# KiCad board Boston-keyboard-V08J.kicad_pcb (continued)
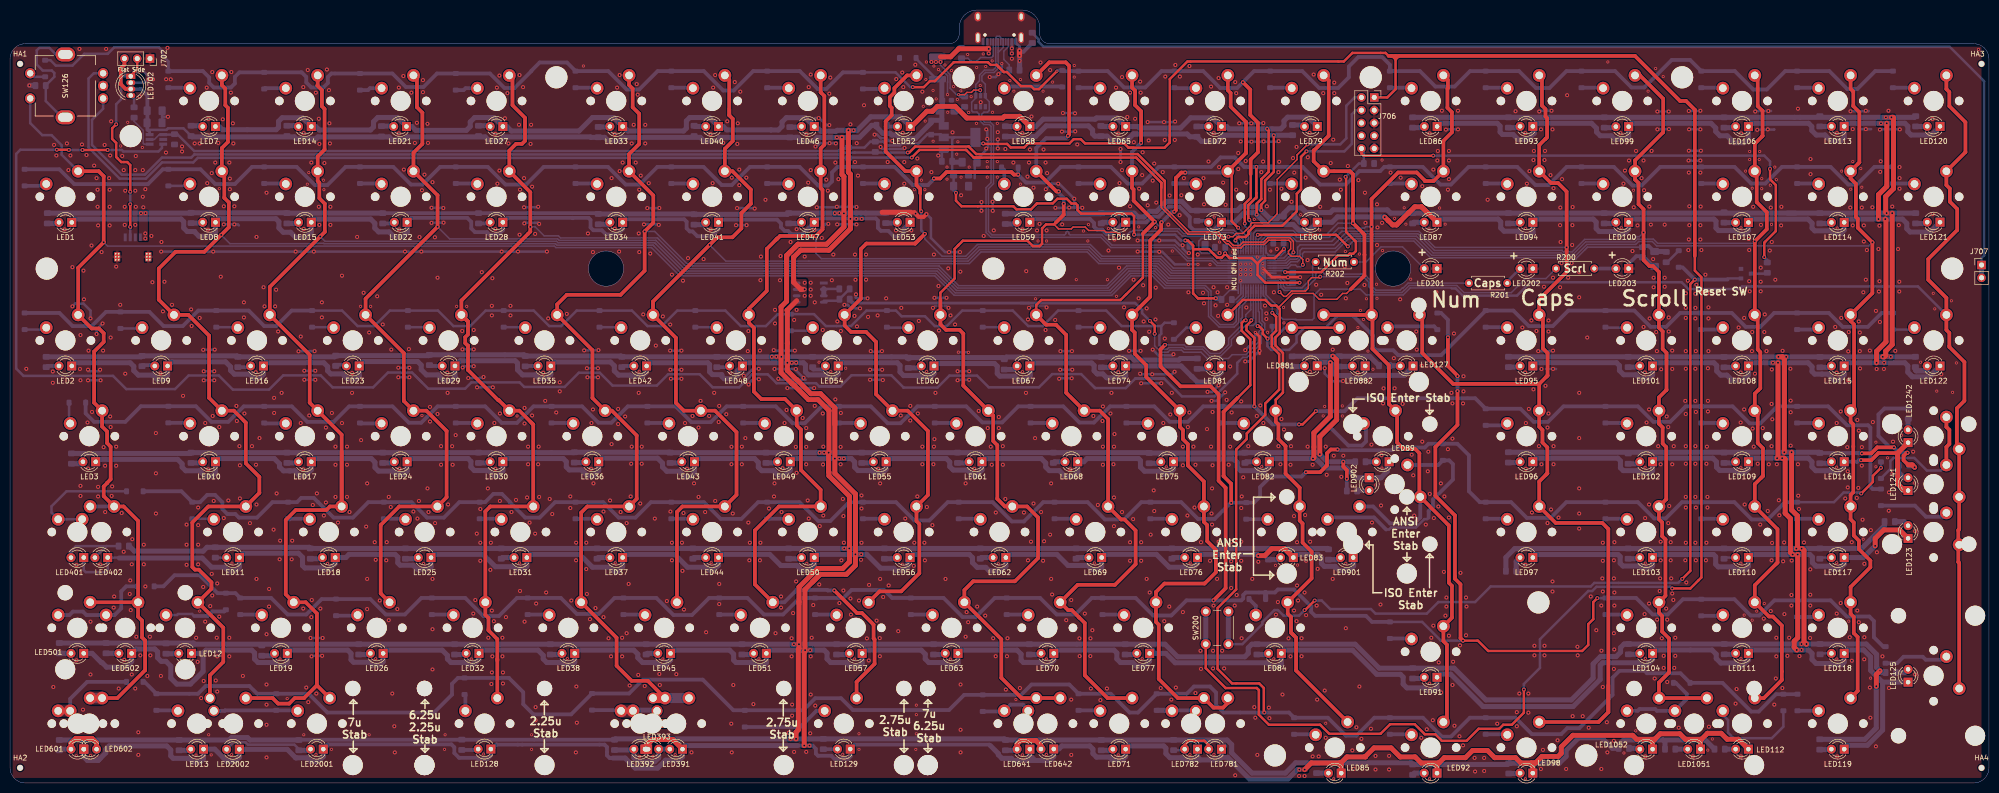
[diagram p0: board, top side]
## Placement (name value [footprint] x y rotation side) (continued)
R50  1K  [R_0805_2012Metric_Pad1.15x1.40mm_HandSolder]  154.83 45.61 270 bottom
R51  1K  [R_0805_2012Metric_Pad1.15x1.40mm_HandSolder]  145.54 26.56 270 bottom
R52  1K  [R_0805_2012Metric_Pad1.15x1.40mm_HandSolder]  173.3 130.78 0 bottom
R53  1K  [R_0805_2012Metric_Pad1.15x1.40mm_HandSolder]  174.12 112.36 270 bottom
R54  1K  [R_0805_2012Metric_Pad1.15x1.40mm_HandSolder]  159.59 83.71 270 bottom
R55  1K  [R_0805_2012Metric_Pad1.15x1.40mm_HandSolder]  169.35 64.66 270 bottom
R56  1K  [R_0805_2012Metric_Pad1.15x1.40mm_HandSolder]  173.88 45.61 270 bottom
R57  1K  [R_0805_2012Metric_Pad1.15x1.40mm_HandSolder]  164.35 26.56 270 bottom
R58  1K  [R_0805_2012Metric_Pad1.15x1.40mm_HandSolder]  197.93 129.57 90 bottom
R59  1K  [R_0805_2012Metric_Pad1.15x1.40mm_HandSolder]  197.9 112.18 270 bottom
R60  1K  [R_0805_2012Metric_Pad1.15x1.40mm_HandSolder]  178.61 83.56 270 bottom
R61  1K  [R_0805_2012Metric_Pad1.15x1.40mm_HandSolder]  188.4 64.66 270 bottom
R62  1K  [R_0805_2012Metric_Pad1.15x1.40mm_HandSolder]  192.93 45.61 270 bottom
R63  1K  [R_0805_2012Metric_Pad1.15x1.40mm_HandSolder]  183.64 26.56 270 bottom
R64  1K  [R_0805_2012Metric_Pad1.15x1.40mm_HandSolder]  197.93 7.51 270 bottom
R65  1K  [R_0805_2012Metric_Pad1.15x1.40mm_HandSolder]  216.9 129.65 90 bottom
R66  1K  [R_0805_2012Metric_Pad1.15x1.40mm_HandSolder]  216.98 112.29 270 bottom
R67  1K  [R_0805_2012Metric_Pad1.15x1.40mm_HandSolder]  197.69 83.24 270 bottom
R68  1K  [R_0805_2012Metric_Pad1.15x1.40mm_HandSolder]  207.45 64.66 270 bottom
R69  1K  [R_0805_2012Metric_Pad1.15x1.40mm_HandSolder]  211.98 45.61 270 bottom
R70  1K  [R_0805_2012Metric_Pad1.15x1.40mm_HandSolder]  202.69 26.56 270 bottom
R71  1K  [R_0805_2012Metric_Pad1.15x1.40mm_HandSolder]  216.98 7.51 270 bottom
R72  1K  [R_0805_2012Metric_Pad1.15x1.40mm_HandSolder]  235.98 129.53 90 bottom
R73  1K  [R_0805_2012Metric_Pad1.15x1.40mm_HandSolder]  236 112.8 270 bottom
R74  1K  [R_0805_2012Metric_Pad1.15x1.40mm_HandSolder]  217.01 83.67 270 bottom
R75  1K  [R_0805_2012Metric_Pad1.15x1.40mm_HandSolder]  226.5 64.59 270 bottom
R76  1K  [R_0805_2012Metric_Pad1.15x1.40mm_HandSolder]  231.03 45.61 270 bottom
R77  1K  [R_0805_2012Metric_Pad1.15x1.40mm_HandSolder]  221.74 26.56 270 bottom
R78  1K  [R_0805_2012Metric_Pad1.15x1.40mm_HandSolder]  231.37 7.54 270 bottom
R79  1K  [R_0805_2012Metric_Pad1.15x1.40mm_HandSolder]  255 129.82 90 bottom
R80  1K  [R_0805_2012Metric_Pad1.15x1.40mm_HandSolder]  254.3 112.72 0 bottom
R81  1K  [R_0805_2012Metric_Pad1.15x1.40mm_HandSolder]  236.05 83.38 270 bottom
R82  1K  [R_0805_2012Metric_Pad1.15x1.40mm_HandSolder]  245.55 64.66 270 bottom
R83  1K  [R_0805_2012Metric_Pad1.15x1.40mm_HandSolder]  250.24 45.45 270 bottom
R84  1K  [R_0805_2012Metric_Pad1.15x1.40mm_HandSolder]  247.93 26.56 270 bottom
R85  1K  [R_0805_2012Metric_Pad1.15x1.40mm_HandSolder]  259.79 2.99 270 bottom
R86  1K  [R_0805_2012Metric_Pad1.15x1.40mm_HandSolder]  278.89 131.34 270 bottom
R87  1K  [R_0805_2012Metric_Pad1.15x1.40mm_HandSolder]  278.89 112.29 270 bottom
R89  1K  [R_0805_2012Metric_Pad1.15x1.40mm_HandSolder]  268.49 63.87 0 bottom
R91  1K  [R_0805_2012Metric_Pad1.15x1.40mm_HandSolder]  278.9 21.8 270 bottom
R92  1K  [R_0805_2012Metric_Pad1.15x1.40mm_HandSolder]  278.9 2.65 270 bottom
R93  1K  [R_0805_2012Metric_Pad1.15x1.40mm_HandSolder]  297.94 131.34 270 bottom
R94  1K  [R_0805_2012Metric_Pad1.15x1.40mm_HandSolder]  297.94 112.29 270 bottom
R95  1K  [R_0805_2012Metric_Pad1.15x1.40mm_HandSolder]  297.95 83.72 270 bottom
R96  1K  [R_0805_2012Metric_Pad1.15x1.40mm_HandSolder]  297.94 64.74 270 bottom
R97  1K  [R_0805_2012Metric_Pad1.15x1.40mm_HandSolder]  298.45 42.12 0 bottom
R98  1K  [R_0805_2012Metric_Pad1.15x1.40mm_HandSolder]  298.02 2.9 270 bottom
R99  1K  [R_0805_2012Metric_Pad1.15x1.40mm_HandSolder]  316.99 131.34 270 bottom
R100  1K  [R_0805_2012Metric_Pad1.15x1.40mm_HandSolder]  316.99 112.29 270 bottom
R101  1K  [R_0805_2012Metric_Pad1.15x1.40mm_HandSolder]  321.75 83.71 270 bottom
R102  1K  [R_0805_2012Metric_Pad1.15x1.40mm_HandSolder]  321.75 64.5 270 bottom
R103  1K  [R_0805_2012Metric_Pad1.15x1.40mm_HandSolder]  321.75 45.61 270 bottom
R104  1K  [R_0805_2012Metric_Pad1.15x1.40mm_HandSolder]  321.8 26.6 270 bottom
R106  1K  [R_0805_2012Metric_Pad1.15x1.40mm_HandSolder]  340.8 131.34 270 bottom
R107  1K  [R_0805_2012Metric_Pad1.15x1.40mm_HandSolder]  340.8 112.45 270 bottom
R108  1K  [R_0805_2012Metric_Pad1.15x1.40mm_HandSolder]  340.8 83.67 270 bottom
R109  1K  [R_0805_2012Metric_Pad1.15x1.40mm_HandSolder]  340.8 64.66 270 bottom
R110  1K  [R_0805_2012Metric_Pad1.15x1.40mm_HandSolder]  340.8 45.61 270 bottom
R111  1K  [R_0805_2012Metric_Pad1.15x1.40mm_HandSolder]  340.85 26.6 270 bottom
R112  1K  [R_0805_2012Metric_Pad1.15x1.40mm_HandSolder]  339.93 6.72 0 bottom
R113  1K  [R_0805_2012Metric_Pad1.15x1.40mm_HandSolder]  359.85 131.58 270 bottom
R114  1K  [R_0805_2012Metric_Pad1.15x1.40mm_HandSolder]  359.85 112.29 270 bottom
R115  1K  [R_0805_2012Metric_Pad1.15x1.40mm_HandSolder]  359.88 83.67 270 bottom
R116  1K  [R_0805_2012Metric_Pad1.15x1.40mm_HandSolder]  359.85 64.59 270 bottom
R117  1K  [R_0805_2012Metric_Pad1.15x1.40mm_HandSolder]  359.85 45.61 270 bottom
R118  1K  [R_0805_2012Metric_Pad1.15x1.40mm_HandSolder]  359.9 26.6 270 bottom
R119  1K  [R_0805_2012Metric_Pad1.15x1.40mm_HandSolder]  359.85 7.65 270 bottom
R120  1K  [R_0805_2012Metric_Pad1.15x1.40mm_HandSolder]  378.9 131.58 270 bottom
R121  1K  [R_0805_2012Metric_Pad1.15x1.40mm_HandSolder]  378.9 112.29 270 bottom
R122  1K  [R_0805_2012Metric_Pad1.15x1.40mm_HandSolder]  378.85 83.72 270 bottom
R123  1K  [R_0805_2012Metric_Pad1.15x1.40mm_HandSolder]  373.74 51.96 0 bottom
R125  1K  [R_0805_2012Metric_Pad1.15x1.40mm_HandSolder]  373.95 21.95 0 bottom
R127  1K  [R_0805_2012Metric_Pad1.15x1.40mm_HandSolder]  273.23 82.97 0 bottom
R128  1K  [R_0805_2012Metric_Pad1.15x1.40mm_HandSolder]  89.82 7.59 270 bottom
R129  1K  [R_0805_2012Metric_Pad1.15x1.40mm_HandSolder]  161.71 7.74 270 bottom
R200  330  [R_Axial_DIN0207_L6.3mm_D2.5mm_P7.62mm_Horizontal]  315 102.3 180 top
R201  330  [R_Axial_DIN0207_L6.3mm_D2.5mm_P7.62mm_Horizontal]  297.7 99.4 180 top
R202  330  [R_Axial_DIN0207_L6.3mm_D2.5mm_P7.62mm_Horizontal]  267.22 103.6 180 top
R501  1K  [R_0805_2012Metric_Pad1.15x1.40mm_HandSolder]  9.81 26.8 270 bottom
R502  1K  [R_0805_2012Metric_Pad1.15x1.40mm_HandSolder]  19.1 26.8 270 bottom
R701  100k  [R_0603_1608Metric_Pad1.05x0.95mm_HandSolder]  186.3 135.78 180 bottom
R702  1M  [R_0805_2012Metric_Pad1.15x1.40mm_HandSolder]  324.59 105.52 90 bottom
R703  100  [R_0805_2012Metric_Pad1.15x1.40mm_HandSolder]  349.4 102.47 270 bottom
R704  5.1k  [R_0805_2012Metric_Pad1.15x1.40mm_HandSolder]  189.2 145.15 270 bottom
R705  5.1k  [R_0805_2012Metric_Pad1.15x1.40mm_HandSolder]  199.7 141.75 180 bottom
R706  1K  [R_0805_2012Metric_Pad1.15x1.40mm_HandSolder]  165.93 96.2 180 bottom
R707  10k  [R_0805_2012Metric_Pad1.15x1.40mm_HandSolder]  165.91 98.24 0 bottom
R708  10k  [R_0805_2012Metric_Pad1.15x1.40mm_HandSolder]  166.72 125.33 90 bottom
R709  10k  [R_0805_2012Metric_Pad1.15x1.40mm_HandSolder]  172.04 126.51 90 bottom
R710  100  [R_0805_2012Metric_Pad1.15x1.40mm_HandSolder]  24.66 133.34 270 bottom
R711  330k  [R_0805_2012Metric_Pad1.15x1.40mm_HandSolder]  329.3 104.58 270 bottom
R881  1K  [R_0805_2012Metric_Pad1.15x1.40mm_HandSolder]  254.95 83.81 270 bottom
R882  1K  [R_0805_2012Metric_Pad1.15x1.40mm_HandSolder]  264.32 83.83 270 bottom
R901  1K  [R_0805_2012Metric_Pad1.15x1.40mm_HandSolder]  262.14 45.43 270 bottom
R902  1K  [R_0805_2012Metric_Pad1.15x1.40mm_HandSolder]  266.83 58.08 0 bottom
R1051  1K  [R_0805_2012Metric_Pad1.15x1.40mm_HandSolder]  330.09 6.72 0 bottom
R1052  1K  [R_0805_2012Metric_Pad1.15x1.40mm_HandSolder]  320.88 6.88 0 bottom
R1241  1K  [R_0805_2012Metric_Pad1.15x1.40mm_HandSolder]  376.57 63.18 180 bottom
R1242  1K  [R_0805_2012Metric_Pad1.15x1.40mm_HandSolder]  377.45 73.44 270 bottom
SW1  MXSwitch  [MX100]  11 116.58 180 bottom
SW2  MXSwitch  [MX100]  11 88 180 bottom
SW3  MXSwitch  [MX150]  15.76 68.95 180 bottom
SW4-1  MXSwitch  [MX125#2]  13.38 49.9 180 bottom
SW4-2  MXSwitch  [MX175]  18.14 49.9 180 bottom
SW5-1  MXSwitch  [MX125#2]  13.38 30.85 180 bottom
SW5-2  MXSwitch  [MX225]  22.91 30.85 180 bottom
SW6-1  MXSwitch  [MX125#2]  13.38 11.8 180 bottom
SW6-2  MXSwitch  [MX150]  15.76 11.8 180 bottom
SW7  MXSwitch  [MX100]  39.58 135.62 180 bottom
SW8  MXSwitch  [MX100]  39.58 116.58 180 bottom
SW9  MXSwitch  [MX100]  30.05 88 180 bottom
SW10  MXSwitch  [MX100]  39.58 68.95 180 bottom
SW11  MXSwitch  [MX100]  44.34 49.9 180 bottom
SW12  MXSwitch  [MX100]  34.81 30.85 180 bottom
SW13  MXSwitch  [MX125]  37.19 11.8 180 bottom
SW14  MXSwitch  [MX100]  58.62 135.62 180 bottom
SW15  MXSwitch  [MX100]  58.62 116.58 180 bottom
SW16  MXSwitch  [MX100]  49.1 88 180 bottom
SW17  MXSwitch  [MX100]  58.62 68.95 180 bottom
SW18  MXSwitch  [MX100]  63.39 49.9 180 bottom
SW19  MXSwitch  [MX100]  53.86 30.85 180 bottom
SW20-1  MXSwitch  [MX125#2]  61.01 11.8 180 bottom
SW20-2  MXSwitch  [MX150#2]  44.34 11.8 180 bottom
SW21  MXSwitch  [MX100]  77.68 135.62 180 bottom
SW22  MXSwitch  [MX100]  77.68 116.58 180 bottom
SW23  MXSwitch  [MX100]  68.15 88 180 bottom
SW24  MXSwitch  [MX100]  77.68 68.95 180 bottom
SW25  MXSwitch  [MX100]  82.44 49.9 180 bottom
SW26  MXSwitch  [MX100]  72.91 30.85 180 bottom
SW27  MXSwitch  [MX100]  96.72 135.62 180 bottom
SW28  MXSwitch  [MX100]  96.72 116.58 180 bottom
SW29  MXSwitch  [MX100]  87.2 88 180 bottom
SW30  MXSwitch  [MX100]  96.72 68.95 180 bottom
SW31  MXSwitch  [MX100]  101.49 49.9 180 bottom
SW32  MXSwitch  [MX100]  91.96 30.85 180 bottom
SW33  MXSwitch  [MX100]  120.54 135.62 180 bottom
SW34  MXSwitch  [MX100]  120.54 116.58 180 bottom
SW35  MXSwitch  [MX100]  106.25 88 180 bottom
SW36  MXSwitch  [MX100]  115.78 68.95 180 bottom
SW37  MXSwitch  [MX100]  120.54 49.9 180 bottom
SW38  MXSwitch  [MX100]  111.01 30.85 180 bottom
SW39-1  MXSwitch  [MX625]  132.44 11.8 180 bottom
SW39-2  MXSwitch  [MX700]  125.3 11.8 180 bottom
SW39-3  MXSwitch  [MX125#2]  127.68 11.8 180 bottom
SW40  MXSwitch  [MX100]  139.59 135.62 180 bottom
SW41  MXSwitch  [MX100]  139.59 116.58 180 bottom
SW42  MXSwitch  [MX100]  125.3 88 180 bottom
SW43  MXSwitch  [MX100]  134.82 68.95 180 bottom
SW44  MXSwitch  [MX100]  139.59 49.9 180 bottom
SW45  MXSwitch  [MX100]  130.06 30.85 180 bottom
SW46  MXSwitch  [MX100]  158.64 135.62 180 bottom
SW47  MXSwitch  [MX100]  158.64 116.58 180 bottom
SW48  MXSwitch  [MX100]  144.35 88 180 bottom
SW49  MXSwitch  [MX100]  153.88 68.95 180 bottom
SW50  MXSwitch  [MX100]  158.64 49.9 180 bottom
SW51  MXSwitch  [MX100]  149.11 30.85 180 bottom
SW52  MXSwitch  [MX100]  177.69 135.62 180 bottom
SW53  MXSwitch  [MX100]  177.69 116.58 180 bottom
SW54  MXSwitch  [MX100]  163.4 88 180 bottom
SW55  MXSwitch  [MX100]  172.93 68.95 180 bottom
SW56  MXSwitch  [MX100]  177.69 49.9 180 bottom
SW57  MXSwitch  [MX100]  168.16 30.85 180 bottom
SW58  MXSwitch  [MX100]  201.5 135.62 180 bottom
SW59  MXSwitch  [MX100]  201.5 116.58 180 bottom
SW60  MXSwitch  [MX100]  182.45 88 180 bottom
SW61  MXSwitch  [MX100]  191.97 68.95 180 bottom
SW62  MXSwitch  [MX100]  196.74 49.9 180 bottom
SW63  MXSwitch  [MX100]  187.21 30.85 180 bottom
SW64-1  MXSwitch  [MX100#2]  201.5 11.8 180 bottom
SW64-2  MXSwitch  [MX150#3]  206.26 11.8 180 bottom
SW65  MXSwitch  [MX100]  220.55 135.62 180 bottom
SW66  MXSwitch  [MX100]  220.55 116.58 180 bottom
SW67  MXSwitch  [MX100]  201.5 88 180 bottom
SW68  MXSwitch  [MX100]  211.02 68.95 180 bottom
SW69  MXSwitch  [MX100]  215.79 49.9 180 bottom
SW70  MXSwitch  [MX100]  206.26 30.85 180 bottom
SW71  MXSwitch  [MX100]  220.55 11.8 180 bottom
SW72  MXSwitch  [MX100]  239.6 135.62 180 bottom
SW73  MXSwitch  [MX100]  239.6 116.58 180 bottom
SW74  MXSwitch  [MX100]  220.55 88 180 bottom
SW75  MXSwitch  [MX100]  230.07 68.95 180 bottom
SW76  MXSwitch  [MX100]  234.84 49.9 180 bottom
SW77  MXSwitch  [MX100]  225.31 30.85 180 bottom
SW78-1  MXSwitch  [MX100#3]  239.6 11.8 180 bottom
SW78-2  MXSwitch  [MX150#4]  234.84 11.8 180 bottom
SW79  MXSwitch  [MX100]  258.65 135.62 180 bottom
SW80  MXSwitch  [MX100]  258.65 116.58 180 bottom
SW81  MXSwitch  [MX100]  239.6 88 180 bottom
SW82  MXSwitch  [MX100]  249.12 68.95 180 bottom
SW83  MXSwitch  [MX100]  253.89 49.9 180 bottom
SW84  MXSwitch  [MX175]  251.51 30.85 180 bottom
SW85  MXSwitch  [MX100]  263.41 7.04 180 bottom
SW86  MXSwitch  [MX100]  282.46 135.62 180 bottom
SW87  MXSwitch  [MX100]  282.46 116.58 180 bottom
SW88-1  MXSwitch  [MX100]  258.65 88 180 bottom
SW88-2  MXSwitch  [MX200]  268.18 88 180 bottom
SW89  MXSwitch  [MX150]  272.94 68.95 180 bottom
SW90-1  MXSwitch  [MX225]  265.79 49.9 180 bottom
SW90-2  MXSwitch  [MX_ISOEnter]  275.32 59.42 180 bottom
SW91  MXSwitch  [MX100]  282.46 26.09 180 bottom
SW92  MXSwitch  [MX100]  282.46 7.04 180 bottom
SW93  MXSwitch  [MX100]  301.51 135.62 180 bottom
SW94  MXSwitch  [MX100]  301.51 116.58 180 bottom
SW95  MXSwitch  [MX100]  301.51 88 180 bottom
SW96  MXSwitch  [MX100]  301.51 68.95 180 bottom
SW97  MXSwitch  [MX100]  301.51 49.9 180 bottom
SW98  MXSwitch  [MX100]  301.51 7.04 180 bottom
SW99  MXSwitch  [MX100]  320.56 135.62 180 bottom
SW100  MXSwitch  [MX100]  320.56 116.58 180 bottom
SW101  MXSwitch  [MX100]  325.32 88 180 bottom
SW102  MXSwitch  [MX100]  325.32 68.95 180 bottom
SW103  MXSwitch  [MX100]  325.32 49.9 180 bottom
SW104  MXSwitch  [MX100]  325.32 30.85 180 bottom
SW105-1  MXSwitch  [MX200]  334.85 11.8 180 bottom
SW105-2  MXSwitch  [MX100]  325.32 11.8 180 bottom
SW106  MXSwitch  [MX100]  344.38 135.62 180 bottom
SW107  MXSwitch  [MX100]  344.38 116.58 180 bottom
SW108  MXSwitch  [MX100]  344.38 88 180 bottom
SW109  MXSwitch  [MX100]  344.38 68.95 180 bottom
SW110  MXSwitch  [MX100]  344.38 49.9 180 bottom
SW111  MXSwitch  [MX100]  344.38 30.85 180 bottom
SW112  MXSwitch  [MX100]  344.38 11.8 180 bottom
SW113  MXSwitch  [MX100]  363.43 135.62 180 bottom
SW114  MXSwitch  [MX100]  363.43 116.58 180 bottom
SW115  MXSwitch  [MX100]  363.43 88 180 bottom
SW116  MXSwitch  [MX100]  363.43 68.95 180 bottom
SW117  MXSwitch  [MX100]  363.43 49.9 180 bottom
SW118  MXSwitch  [MX100]  363.43 30.85 180 bottom
SW119  MXSwitch  [MX100]  363.43 11.8 180 bottom
SW120  MXSwitch  [MX100]  382.48 135.62 180 bottom
SW121  MXSwitch  [MX100]  382.48 116.58 180 bottom
SW122  MXSwitch  [MX100]  382.48 88 180 bottom
SW123  MXSwitch  [MX100]  382.48 49.9 90 bottom
SW124-1  MXSwitch  [MX200]  382.48 59.42 90 bottom
SW124-2  MXSwitch  [MX100]  382.48 68.95 90 bottom
SW125  MXSwitch  [MX200R]  382.48 21.32 90 bottom
SW126  Rotary_Encoder_Switch_Chassis  [ALPS_EC11E]  11 138.62 90 top
SW127  MXSwitch  [MX100]  277.7 88 180 bottom
SW128  MXSwitch  [MX225]  94.34 11.8 180 bottom
SW129  MXSwitch  [MX275]  165.78 11.8 180 bottom
SW200  SW_Push  [SW_PUSH_6mm_H5mm]  237.75 27.6 90 top
U701  STM32F072CBTx  [LQFP-48_7x7mm_P0.5mm]  246.96 102.13 180 bottom
U702  TLV1117-33  [SOT-223-3_TabPin2]  188.8 128.38 0 bottom
U703  SRV05-4  [SOT-23-6]  192.97 135.57 90 bottom
U705  SN74LVC1T45DCK  [SOT-23-6_Handsoldering]  29.1 127.97 180 bottom
UA701  STM32F072CBUx  [QFN-48-1EP_7x7mm_P0.5mm_EP5.6x5.6mm]  246.96 102.13 180 bottom

## Footprints (pads in the part's own frame, mm; a bottom-side part is the same pattern mirrored in y, then rotated)
Access-hole-4.4mm
  round 4.4 hole 4.4 unplated: (0,0)
ALPS_EC11E
  oval 1.651x2.769 smd: (-6.25,0) (6.25,0)
  round 1.016 smd: (-2.5,7) (-2.5,-7.5) (0,-7.5) (2.5,7) (2.5,-7.5)
  round 2.032 hole 1.27: A(-2.5,-7.5) B(2.5,-7.5) C(0,-7.5) S1(-2.5,7) S2(2.5,7)
  oval 2.8x3.9 hole 1.8x2.9: S(-6.25,0) S(6.25,0)
C_0805_2012Metric_Pad1.15x1.40mm_HandSolder
  rrect 1.15x1.4 smd: 1(-1.025,0) 2(1.025,0)
C_1206_3216Metric_Pad1.42x1.75mm_HandSolder
  rrect 1.425x1.75 smd: 1(-1.488,0) 2(1.488,0)
D_SOD-123
  rrect 1x1.2 smd: 1(-1.65,0) 2(1.65,0)
D_SOD-123F
  rect 1.1x1.1 smd: 1(-1.4,0) 2(1.4,0)
Fuse_1812_4532Metric_Pad1.30x3.40mm_HandSolder
  rrect 1.3x3.4 smd: 1(-2.225,0) 2(2.225,0)
L_0805_2012Metric_Pad1.15x1.40mm_HandSolder
  rrect 1.15x1.4 smd: 1(-1.025,0) 2(1.025,0)
LED_D3.0mm_Clear
  rect 1.8x1.8 hole 0.9: 1(0,0)
  round 1.8 hole 0.9: 2(2.54,0)
LED_D3.0mm_Clear#2
  rect 2.2x1.8 hole 1.5x0.9: 1(0,0)
  round 1.8 hole 0.9: 2(2.54,0)
LED_D3.0mm_Clear#3
  rect 2.2x1.8 hole 1.2x0.9: 1(0,0)
  round 1.8 hole 0.9: 2(2.54,0)
LED_D5.0mm-4_RGB
  rect 1.07x1.8 hole 0.9: 1(0,0)
  oval 1.07x1.8 hole 0.9: 2(1.27,0) 3(2.54,0) 4(3.81,0)
LQFP-48_7x7mm_P0.5mm
  rrect 1.475x0.3 smd: 1(-4.162,2.75) 2(-4.162,2.25) 3(-4.162,1.75) 4(-4.162,1.25) 5(-4.162,0.75) 6(-4.162,0.25) 7(-4.162,-0.25) 8(-4.162,-0.75) 9(-4.162,-1.25) 10(-4.162,-1.75) 11(-4.162,-2.25) 12(-4.162,-2.75) 25(4.162,-2.75) 26(4.162,-2.25) 27(4.162,-1.75) 28(4.162,-1.25) 29(4.162,-0.75) 30(4.162,-0.25) 31(4.162,0.25) 32(4.162,0.75) 33(4.162,1.25) 34(4.162,1.75) 35(4.162,2.25) 36(4.162,2.75)
  rrect 0.3x1.475 smd: 13(-2.75,-4.162) 14(-2.25,-4.162) 15(-1.75,-4.162) 16(-1.25,-4.162) 17(-0.75,-4.162) 18(-0.25,-4.162) 19(0.25,-4.162) 20(0.75,-4.162) 21(1.25,-4.162) 22(1.75,-4.162) 23(2.25,-4.162) 24(2.75,-4.162) 37(2.75,4.162) 38(2.25,4.162) 39(1.75,4.162) 40(1.25,4.162) 41(0.75,4.162) 42(0.25,4.162) 43(-0.25,4.162) 44(-0.75,4.162) 45(-1.25,4.162) 46(-1.75,4.162) 47(-2.25,4.162) 48(-2.75,4.162)
MX100
  round 1.702 hole 1.702 unplated: (-5.08,0) (5.08,0)
  round 3.988 hole 3.988 unplated: (0,0)
  round 2.54 hole 1.525: 1(-2.54,5.08) 2(3.81,2.54)
MX100#2
  round 1.702 hole 1.702 unplated: (-5.08,0) (5.08,0)
  round 3.988 hole 3.988 unplated: (0,0)
  round 2.4 hole 1.525: 1(-2.54,5.08)
  round 2.54 hole 1.525: 2(3.81,2.54)
MX100#3
  round 1.702 hole 1.702 unplated: (-5.08,0) (5.08,0)
  round 3.988 hole 3.988 unplated: (0,0)
  round 2.54 hole 1.525: 1(-2.54,5.08)
  round 2.4 hole 1.525: 2(3.81,2.54)
MX125
  round 1.702 hole 1.702 unplated: (-5.08,0) (5.08,0)
  round 3.988 hole 3.988 unplated: (0,0)
  round 2.2 hole 1.524: 1(-2.54,5.08)
  round 2.54 hole 1.524: 2(3.81,2.54)
MX125#2
  round 1.702 hole 1.702 unplated: (-5.08,0) (5.08,0)
  round 3.988 hole 3.988 unplated: (0,0)
  round 2.54 hole 1.524: 1(-2.54,5.08) 2(3.81,2.54)
MX150
  round 1.702 hole 1.702 unplated: (-5.08,0) (5.08,0)
  round 3.988 hole 3.988 unplated: (0,0)
  round 2.54 hole 1.524: 1(-2.54,5.08) 2(3.81,2.54)
MX150#2
  round 1.702 hole 1.702 unplated: (-5.08,0) (5.08,0)
  round 3.988 hole 3.988 unplated: (0,0)
  round 2.54 hole 1.524: 1(-2.54,5.08)
  round 2.2 hole 1.524: 2(3.81,2.54)
MX150#3
  round 1.702 hole 1.702 unplated: (-5.08,0) (5.08,0)
  round 3.988 hole 3.988 unplated: (0,0)
  round 2.54 hole 1.524: 1(-2.54,5.08)
  round 2.4 hole 1.524: 2(3.81,2.54)
MX150#4
  round 1.702 hole 1.702 unplated: (-5.08,0) (5.08,0)
  round 3.988 hole 3.988 unplated: (0,0)
  round 2.4 hole 1.524: 1(-2.54,5.08)
  round 2.54 hole 1.524: 2(3.81,2.54)
MX175
  round 1.702 hole 1.702 unplated: (-5.08,0) (5.08,0)
  round 3.988 hole 3.988 unplated: (0,0)
  round 2.54 hole 1.524: 1(-2.54,5.08) 2(3.81,2.54)
MX200
  round 3.988 hole 3.988 unplated: (-11.938,-8.255) (0,0) (11.938,-8.255)
  round 3.048 hole 3.048 unplated: (-11.938,6.985) (11.938,6.985)
  round 1.702 hole 1.702 unplated: (-5.08,0) (5.08,0)
  round 2.54 hole 1.524: 1(-2.54,5.08) 2(3.81,2.54)
MX200R
  round 3.048 hole 3.048 unplated: (-11.938,-6.985) (11.938,-6.985)
  round 3.988 hole 3.988 unplated: (-11.938,8.255) (0,0) (11.938,8.255)
  round 1.702 hole 1.702 unplated: (-5.08,0) (5.08,0)
  round 2.54 hole 1.524: 1(-2.54,5.08) 2(3.81,2.54)
MX225
  round 3.988 hole 3.988 unplated: (-11.938,-8.255) (0,0) (11.938,-8.255)
  round 3.048 hole 3.048 unplated: (-11.938,6.985) (11.938,6.985)
  round 1.702 hole 1.702 unplated: (-5.08,0) (5.08,0)
  round 2.54 hole 1.524: 1(-2.54,5.08) 2(3.81,2.54)
MX275
  round 3.988 hole 3.988 unplated: (-11.938,-8.255) (0,0) (11.938,-8.255)
  round 3.048 hole 3.048 unplated: (-11.938,6.985) (11.938,6.985)
  round 1.702 hole 1.702 unplated: (-5.08,0) (5.08,0)
  round 2.54 hole 1.524: 1(-2.54,5.08) 2(3.81,2.54)
MX625
  round 3.988 hole 3.988 unplated: (-50.038,-8.255) (0,0) (50.038,-8.255)
  round 3.048 hole 3.048 unplated: (-50.038,6.985) (50.038,6.985)
  round 1.702 hole 1.702 unplated: (-5.08,0) (5.08,0)
  round 2.54 hole 1.524: 1(-2.54,5.08)
  round 2.2 hole 1.524: 2(3.81,2.54)
MX700
  round 3.988 hole 3.988 unplated: (-57.15,-8.255) (0,0) (57.15,-8.255)
  round 3.048 hole 3.048 unplated: (-57.15,6.985) (57.15,6.985)
  oval 5x1.702 hole 1.702 unplated: (-5.08,0)
  round 1.702 hole 1.702 unplated: (5.08,0)
  round 2.2 hole 1.524: 1(-2.54,5.08)
  round 2.54 hole 1.524: 2(3.81,2.54)
MX_ISOEnter
  round 3.048 hole 3.048 unplated: (-6.985,-11.938) (-6.985,11.938)
  round 1.702 hole 1.702 unplated: (0,-5.08) (0,5.08)
  round 3.988 hole 3.988 unplated: (0,0) (8.255,-11.938) (8.255,11.938)
  round 2.54 hole 1.524: 1(-5.08,-2.54) 2(-2.54,3.81)
PinHeader_1x02_P2.54mm_Vertical
  rect 1.7x1.7 hole 1: 1(0,0)
  oval 1.7x1.7 hole 1: 2(0,-2.54)
PinSocket_1x03_P2.54mm_Vertical
  rect 1.7x1.7 hole 1: 1(0,0)
  oval 1.7x1.7 hole 1: 2(0,-2.54) 3(0,-5.08)
PinSocket_2x05_P2.54mm_Vertical
  rect 1.7x1.7 hole 1: 1(0,0)
  oval 1.7x1.7 hole 1: 2(-2.54,0) 3(0,-2.54) 4(-2.54,-2.54) 5(0,-5.08) 6(-2.54,-5.08) 7(0,-7.62) 8(-2.54,-7.62) 9(0,-10.16) 10(-2.54,-10.16)
QFN-48-1EP_7x7mm_P0.5mm_EP5.6x5.6mm
  rrect 1.13x1.13 smd: (-2.1,-2.1) (-2.1,-0.7) (-2.1,0.7) (-2.1,2.1) (-0.7,-2.1) (-0.7,-0.7) (-0.7,0.7) (-0.7,2.1) (0.7,-2.1) (0.7,-0.7) (0.7,0.7) (0.7,2.1) (2.1,-2.1) (2.1,-0.7) (2.1,0.7) (2.1,2.1)
  rrect 0.875x0.25 smd: 1(-3.438,2.75) 2(-3.438,2.25) 3(-3.438,1.75) 4(-3.438,1.25) 5(-3.438,0.75) 6(-3.438,0.25) 7(-3.438,-0.25) 8(-3.438,-0.75) 9(-3.438,-1.25) 10(-3.438,-1.75) 11(-3.438,-2.25) 12(-3.438,-2.75) 25(3.438,-2.75) 26(3.438,-2.25) 27(3.438,-1.75) 28(3.438,-1.25) 29(3.438,-0.75) 30(3.438,-0.25) 31(3.438,0.25) 32(3.438,0.75) 33(3.438,1.25) 34(3.438,1.75) 35(3.438,2.25) 36(3.438,2.75)
  rrect 0.25x0.875 smd: 13(-2.75,-3.438) 14(-2.25,-3.438) 15(-1.75,-3.438) 16(-1.25,-3.438) 17(-0.75,-3.438) 18(-0.25,-3.438) 19(0.25,-3.438) 20(0.75,-3.438) 21(1.25,-3.438) 22(1.75,-3.438) 23(2.25,-3.438) 24(2.75,-3.438) 37(2.75,3.438) 38(2.25,3.438) 39(1.75,3.438) 40(1.25,3.438) 41(0.75,3.438) 42(0.25,3.438) 43(-0.25,3.438) 44(-0.75,3.438) 45(-1.25,3.438) 46(-1.75,3.438) 47(-2.25,3.438) 48(-2.75,3.438)
  rect 5.6x5.6 smd: 49(0,0)
R_0603_1608Metric_Pad1.05x0.95mm_HandSolder
  rrect 1.05x0.95 smd: 1(-0.875,0) 2(0.875,0)
R_0805_2012Metric_Pad1.15x1.40mm_HandSolder
  rrect 1.15x1.4 smd: 1(-1.025,0) 2(1.025,0)
R_Axial_DIN0207_L6.3mm_D2.5mm_P7.62mm_Horizontal
  round 1.6 hole 0.8: 1(0,0)
  oval 1.6x1.6 hole 0.8: 2(7.62,0)
SM04B-SRSS-TB(LF)(SN)_mounting-reliefs
  rect 0.6x1.55 smd: 1(-1.5,0.775) 2(-0.5,0.775) 3(0.5,0.775) 4(1.5,0.775)
  round 0.5 hole 0.3: MP(-3.4,-3.7) MP(-3.4,-3.1) MP(-3.4,-2.5) MP(-2.8,-3.7) MP(-2.8,-3.1) MP(-2.8,-2.5) MP(2.8,-3.7) MP(2.8,-3.1) MP(2.8,-2.5) MP(3.4,-3.7) MP(3.4,-3.1) MP(3.4,-2.5)
  rect 1.2x1.8 smd far side: MP(-3.1,-3.1) MP(3.1,-3.1)
  rect 1.2x1.8 smd: MP(-3.1,-3.1) MP(3.1,-3.1)
SOIC-8
  rect 1.55x0.6 smd: 1(-2.7,1.905)
  rrect 1.55x0.6 smd: 2(-2.7,0.635) 3(-2.7,-0.635) 4(-2.7,-1.905) 5(2.7,-1.905) 6(2.7,-0.635) 7(2.7,0.635) 8(2.7,1.905)
SOT-23
  rect 0.9x0.8 smd: 1(-1,0.95) 2(-1,-0.95) 3(1,0)
SOT-23-6
  rect 1.06x0.65 smd: 1(-1.1,0.95) 2(-1.1,0) 3(-1.1,-0.95) 4(1.1,-0.95) 5(1.1,0) 6(1.1,0.95)
SOT-23-6_Handsoldering
  rect 1.56x0.65 smd: 1(-1.35,0.95) 2(-1.35,0) 3(-1.35,-0.95) 4(1.35,-0.95) 5(1.35,0) 6(1.35,0.95)
SOT-223-3_TabPin2
  rect 2x1.5 smd: 1(-3.15,2.3) 2(-3.15,0) 3(-3.15,-2.3)
  rect 2x3.8 smd: 2(3.15,0)
SW_PUSH_6mm_H5mm
  round 2 hole 1.1: 1(0,0) 1(6.5,0) 2(0,-4.5) 2(6.5,-4.5)
ToolingHole_1.152mm_(for_JLCPCB_SMT)
  round 1.3 hole 1.152 unplated: (0,-1)
ToolingHole_1.152mm_(for_JLCPCB_SMT)#2
  round 1.3 hole 1.152 unplated: (0,0)
TYPE-C-31-M-12
  round 0.65 hole 0.65 unplated: (-2.89,-2.051) (2.89,-2.051)
  rrect 0.6x1.45 smd: A1(-3.25,-1.275) A4(-2.45,-1.275) B1(3.25,-1.275) B4(2.45,-1.275)
  rrect 0.3x1.45 smd: A5(-1.25,-1.275) A6(-0.254,-1.275) A7(0.25,-1.275) A8(1.25,-1.275) B5(1.75,-1.275) B6(0.75,-1.275) B7(-0.75,-1.275) B8(-1.75,-1.275)
  oval 1.3x1.9 hole 0.6x1.2: S(-4.3,-5.7) S(4.3,-5.7)
  oval 1.1x2.2 hole 0.6x1.7: S(-4.3,-1.5) S(4.3,-1.5)

## Nets
+3V3: C703.1 C705.1 C706.1 C707.1 C708.1 C709.1 C710.1 C711.1 C712.1 C716.1 D702.2 J706.1 R708.2 R709.2 SW200.1 U701.1 U701.9 U701.24 U701.36 U701.48 U702.2 U705.1 U705.5 UA701.1 UA701.9 UA701.24 UA701.36 UA701.48
+5V: C701.1 C704.1 C713.1 D701.1 D702.1 F701.1 J701.1 J702.3 LED702.3 R1.1 R2.1 R3.1 R4.1 R6.1 R7.1 R8.1 R9.1 R10.1 R11.1 R12.1 R13.1 R14.1 R15.1 R16.1 R17.1 R18.1 R19.1 R20.1 R21.1 R22.1 R23.1 R24.1 R25.1 R26.1 R27.1 R28.1 R29.1 R30.1 R31.1 R32.1 R33.1 R34.1 R35.1 R36.1 R37.1 R38.1 R39.1 R40.1 R41.1 R42.1 R43.1 R44.1 R45.1 R46.1 R47.1 R48.1 R49.1 R50.1 R51.1 R52.1 R53.1 R54.1 R55.1 R56.1 R57.1 R58.1 R59.1 R60.1 R61.1 R62.1 R63.1 R64.1 R65.1 R66.1 R67.1 R68.1 R69.1 R70.1 R71.1 R72.1 R73.1 R74.1 R75.1 R76.1 R77.1 R78.1 R79.1 R80.1 R81.1 R82.1 R83.1 R84.1 R85.1 R86.1 R87.1 R89.1 R91.1 R92.1 R93.1 R94.1 R95.1 R96.1 R97.1 R98.1 R99.1 R100.1 R101.1 R102.1 R103.1 R104.1 R106.1 R107.1 R108.1 R109.1 R110.1 R111.1 R112.1 R113.1 R114.1 R115.1 R116.1 R117.1 R118.1 R119.1 R120.1 R121.1 R122.1 R123.1 R125.1 R127.1 R128.1 R129.1 R501.1 R502.1 R701.2 R881.1 R882.1 R901.1 R902.1 R1051.1 R1052.1 R1241.1 R1242.1 U702.3 U705.6
GND: C701.2 C702.2 C703.2 C704.2 C705.2 C706.2 C707.2 C708.2 C709.2 C710.2 C711.2 C712.2 C713.2 C714.2 C715.2 C716.2 D701.2 J701.2 J701.4 J701.MP J702.1 J705.A1 J705.B1 J706.3 J706.5 J706.9 L701.2 L702.2 LED201.1 LED202.1 LED203.1 LED702.2 Q701.2 Q702.1 Q702.2 Q702.3 R701.1 R702.1 R704.1 R705.1 R707.1 SW126.C U701.8 U701.23 U701.35 U701.47 U702.1 U703.2 U705.2 UA701.8 UA701.23 UA701.35 UA701.47 UA701.49
VBUS: C714.1 F701.2 J705.A4 J705.B4 U703.5
BOOT0: C715.1 R702.2 R711.1 U701.44 UA701.44
CAP_INDICATOR: LED202.2 R201.1
Col1: SW1.1 SW2.1 SW3.1 SW4-1.1 SW4-2.1 SW5-1.1 SW5-2.1 SW6-1.1 SW6-2.1 SW126.S1 U701.21 UA701.21
Col2: SW7.1 SW8.1 SW9.1 SW10.1 SW11.1 SW12.1 SW13.1 U701.22 UA701.22
Col3: SW14.1 SW15.1 SW16.1 SW17.1 SW18.1 SW19.1 SW20-1.1 SW20-2.1 U701.25 UA701.25
Col4: SW21.1 SW22.1 SW23.1 SW24.1 SW25.1 SW26.1 U701.26 UA701.26
Col5: SW27.1 SW28.1 SW29.1 SW30.1 SW31.1 SW32.1 SW128.1 U701.27 UA701.27
Col6: SW33.1 SW34.1 SW35.1 SW36.1 SW37.1 SW38.1 SW39-1.1 SW39-2.1 SW39-3.1 U701.28 UA701.28
Col7: SW40.1 SW41.1 SW42.1 SW43.1 SW44.1 SW45.1 U701.29 UA701.29
Col8: SW46.1 SW47.1 SW48.1 SW49.1 SW50.1 SW51.1 SW129.1 U701.30 UA701.30
Col9: SW52.1 SW53.1 SW54.1 SW55.1 SW56.1 SW57.1 U701.31 UA701.31
Col10: SW58.1 SW59.1 SW60.1 SW61.1 SW62.1 SW63.1 SW64-1.1 SW64-2.1 U701.38 UA701.38
Col11: SW65.1 SW66.1 SW67.1 SW68.1 SW69.1 SW70.1 SW71.1 U701.39 UA701.39
Col12: SW72.1 SW73.1 SW74.1 SW75.1 SW76.1 SW77.1 SW78-1.1 SW78-2.1 U701.40 UA701.40
Col13: SW79.1 SW80.1 SW81.1 SW82.1 SW83.1 SW84.1 SW85.1 U701.43 UA701.43
Col14: SW86.1 SW87.1 SW88-1.1 SW88-2.1 SW89.1 SW90-1.1 SW90-2.1 SW91.1 SW92.1 U701.45 UA701.45
Col15: SW93.1 SW94.1 SW95.1 SW96.1 SW97.1 SW98.1 SW127.1 U701.46 UA701.46
Col16: SW99.1 SW100.1 SW101.1 SW102.1 SW103.1 SW104.1 SW105-1.1 SW105-2.1 U701.3 UA701.3
Col17: SW106.1 SW107.1 SW108.1 SW109.1 SW110.1 SW111.1 SW112.1 U701.4 UA701.4
Col18: SW113.1 SW114.1 SW115.1 SW116.1 SW117.1 SW118.1 SW119.1 U701.5 UA701.5
Col19: SW120.1 SW121.1 SW122.1 SW123.1 SW124-1.1 SW124-2.1 SW125.1 U701.13 UA701.13
D+: J705.A6 J705.B6 U701.33 U703.6 UA701.33
D-: J705.A7 J705.B7 U701.32 U703.4 UA701.32
DI: LED702.4 R710.1
EncA: R709.1 SW126.A U701.2 UA701.2
EncB: R708.1 SW126.B U701.6 UA701.6
LED_PWM: R706.1 U701.16 UA701.16
LED_switch: LED1.1 LED2.1 LED3.1 LED7.1 LED8.1 LED9.1 LED10.1 LED11.1 LED12.1 LED13.1 LED14.1 LED15.1 LED16.1 LED17.1 LED18.1 LED19.1 LED21.1 LED22.1 LED23.1 LED24.1 LED25.1 LED26.1 LED27.1 LED28.1 LED29.1 LED30.1 LED31.1 LED32.1 LED33.1 LED34.1 LED35.1 LED36.1 LED37.1 LED38.1 LED40.1 LED41.1 LED42.1 LED43.1 LED44.1 LED45.1 LED46.1 LED47.1 LED48.1 LED49.1 LED50.1 LED51.1 LED52.1 LED53.1 LED54.1 LED55.1 LED56.1 LED57.1 LED58.1 LED59.1 LED60.1 LED61.1 LED62.1 LED63.1 LED65.1 LED66.1 LED67.1 LED68.1 LED69.1 LED70.1 LED71.1 LED72.1 LED73.1 LED74.1 LED75.1 LED76.1 LED77.1 LED79.1 LED80.1 LED81.1 LED82.1 LED83.1 LED84.1 LED85.1 LED86.1 LED87.1 LED89.1 LED91.1 LED92.1 LED93.1 LED94.1 LED95.1 LED96.1 LED97.1 LED98.1 LED99.1 LED100.1 LED101.1 LED102.1 LED103.1 LED104.1 LED106.1 LED107.1 LED108.1 LED109.1 LED110.1 LED111.1 LED112.1 LED113.1 LED114.1 LED115.1 LED116.1 LED117.1 LED118.1 LED119.1 LED120.1 LED121.1 LED122.1 LED123.1 LED125.1 LED127.1 LED128.1 LED129.1 LED391.1 LED392.1 LED393.1 LED401.1 LED402.1 LED501.1 LED502.1 LED601.1 LED602.1 LED641.1 LED642.1 LED781.1 LED782.1 LED881.1 LED882.1 LED901.1 LED902.1 LED1051.1 LED1052.1 LED1241.1 LED1242.1 LED2001.1 LED2002.1 Q702.5 Q702.6 Q702.7 Q702.8
NRST: C702.1 J706.10 R703.1 U701.7 UA701.7
NUM_INDICATOR: LED201.2 R202.1
Plate-ground: J705.S J707.1 J707.2 L702.1
RGBLED: U701.15 U705.3 UA701.15
Row1: D7.1 D14.1 D21.1 D27.1 D33.1 D40.1 D46.1 D52.1 D58.1 D65.1 D72.1 D79.1 D86.1 D93.1 D99.1 D106.1 D113.1 D120.1 D126.1 U701.41 UA701.41
Row2: D1.1 D8.1 D15.1 D22.1 D28.1 D34.1 D41.1 D47.1 D53.1 D59.1 D66.1 D73.1 D80.1 D87.1 D94.1 D100.1 D107.1 D114.1 D121.1 U701.42 UA701.42
